# Altium PCB UmTRXv2.PcbDoc (part 7 of 25)
Units mm, origin at the board's own origin, x right, y up, seen from the top; angles counter-clockwise.
Board outline 159.5 x 99.5 mm, 6 copper layers (Top Layer, GND, MidLayer1, Mid-Layer 2, InternalPlane2, Bottom Layer), stack 1.526 mm thick; 708 components, 578 nets, 2802 pads, 1408 vias.
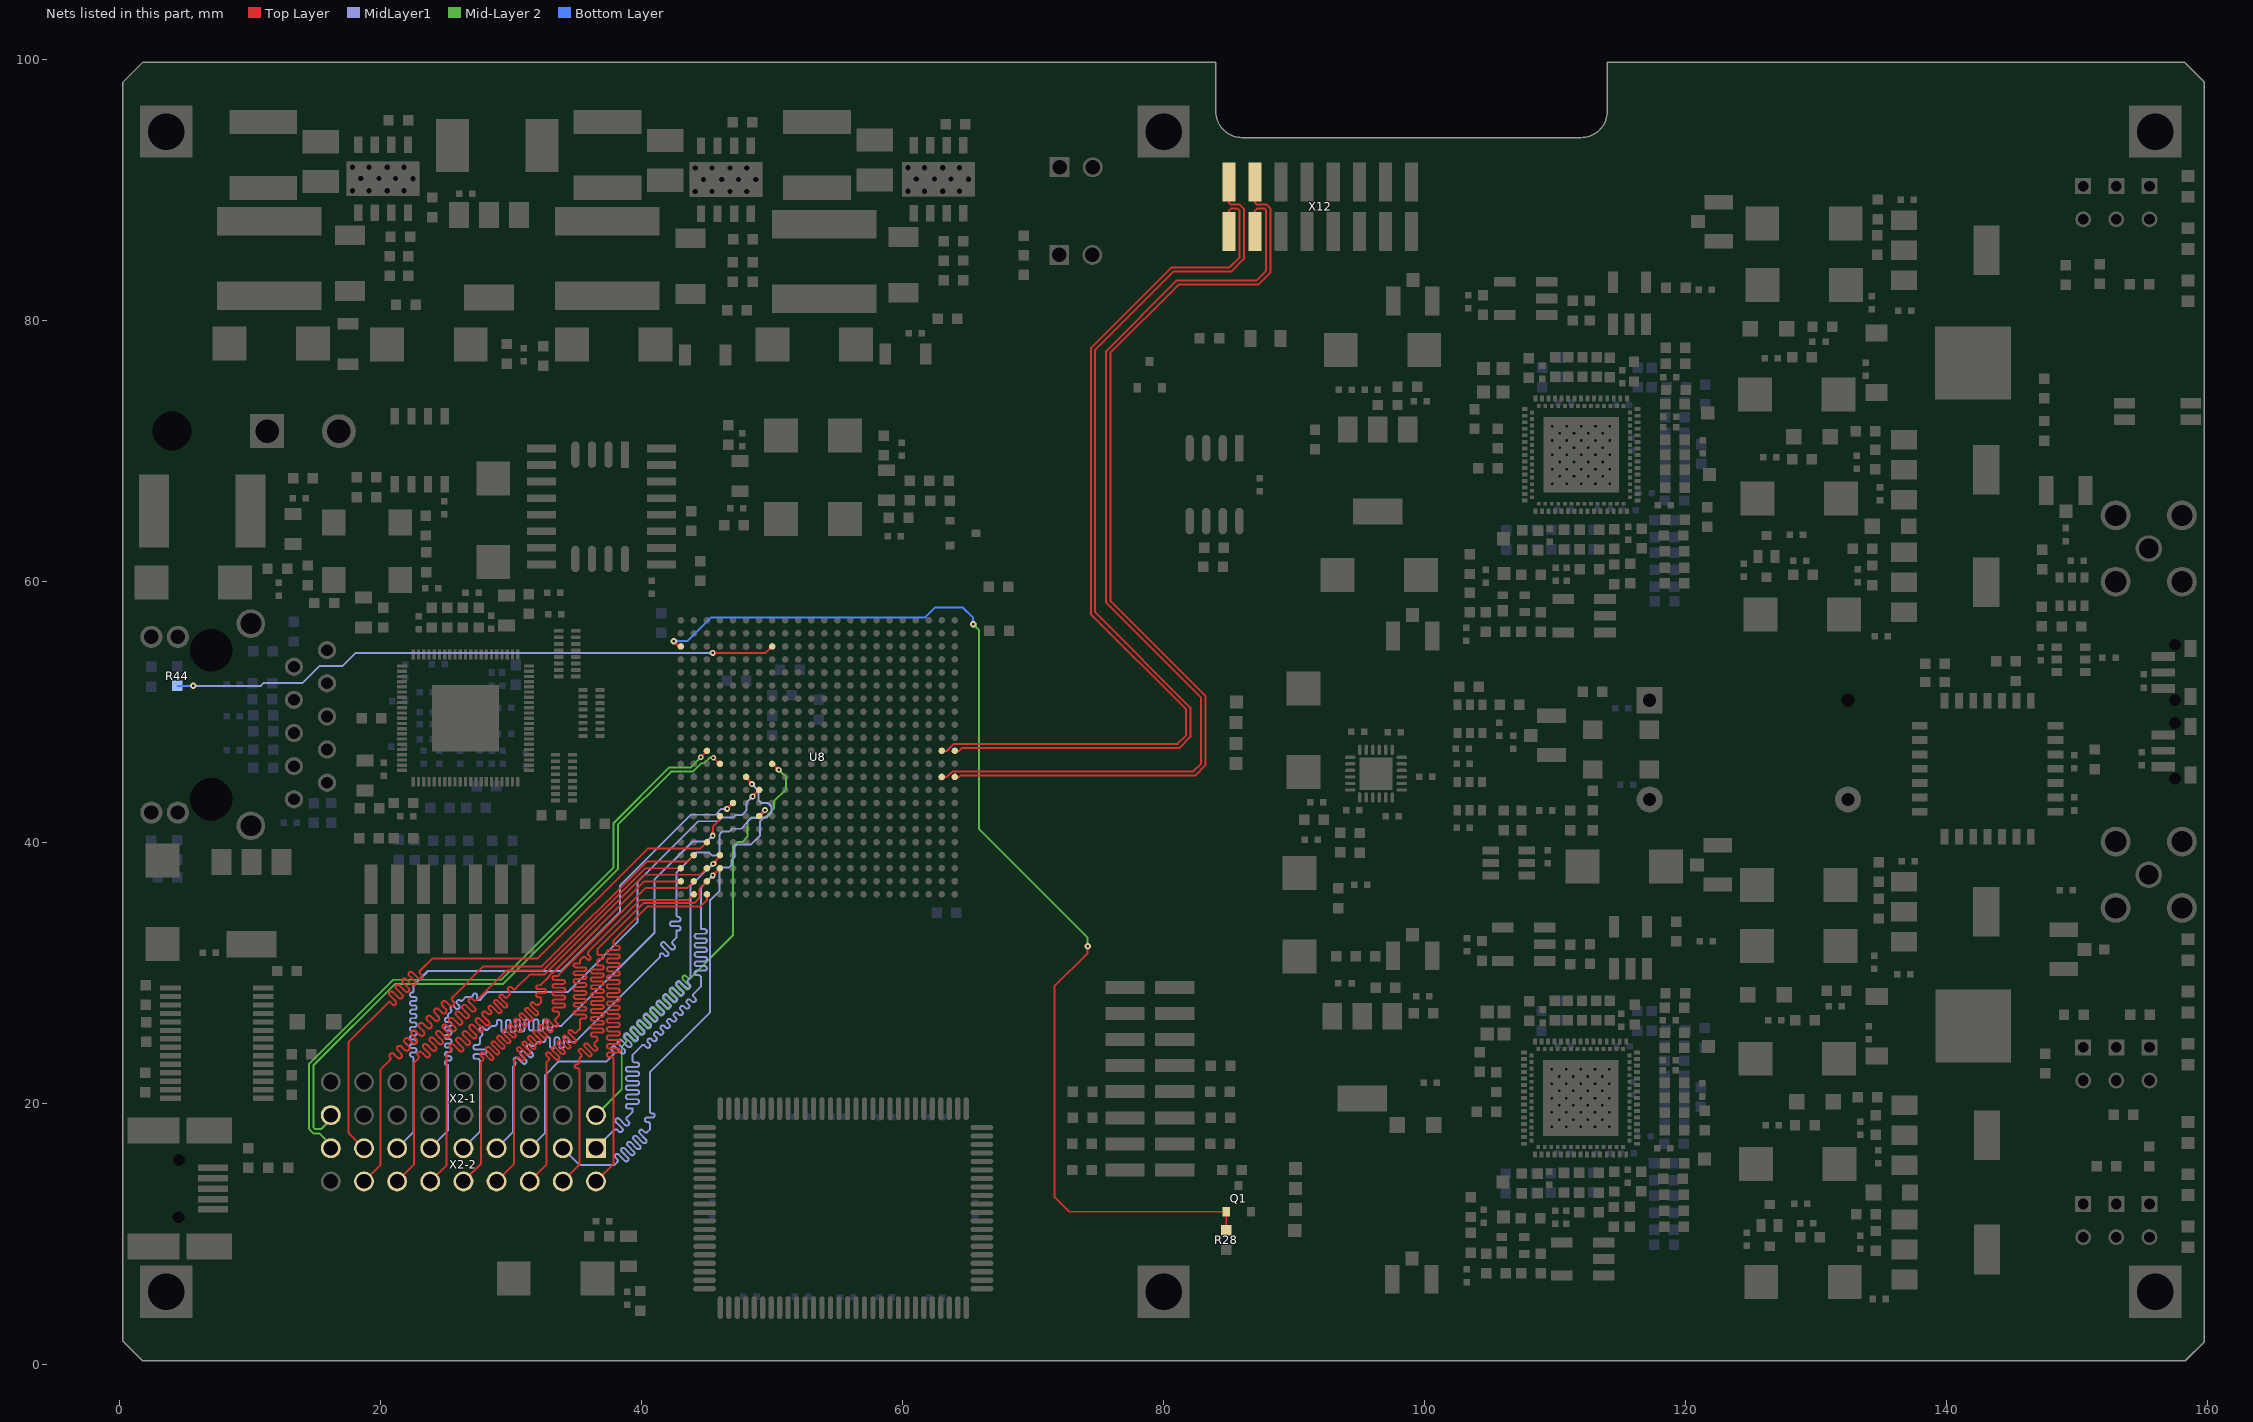
[diagram p11: the nets of this part, all layers, seen from the top]

## Via types
v1: diameter 0.5, hole 0.2, Top Layer to Bottom Layer, tented both sides, 441 vias
v2: diameter 0.45, hole 0.2, Top Layer to Bottom Layer, tented both sides, 429 vias
v3: diameter 0.7, hole 0.3, Top Layer to Bottom Layer, tented both sides, 258 vias
v4: diameter 0.4, hole 0.2, Top Layer to Bottom Layer, tented both sides, 197 vias
v5: diameter 0.8, hole 0.3, Top Layer to Bottom Layer, tented both sides, 61 vias
v6: diameter 0.6, hole 0.25, Top Layer to Bottom Layer, tented both sides, 16 vias
v7: diameter 0.6, hole 0.3, Top Layer to Bottom Layer, tented both sides, 4 vias
v8: diameter 1, hole 0.5, Top Layer to Bottom Layer, tented both sides, 2 vias

## Nets (pads, with @x,y where several pads share a name; then routed paths per layer and width w, separated by ;. In a path a pad name is that pad's centre, name@x,y a point inside that pad or via, vN(x,y) a via of type N, cw(c..) or ccw(c..) an arc to the next point about the centre after c; other vN are vias at no path point) (continued)
DEBUG15: U8.L15 X2-1.2 | length 55.1
  Top Layer w0.15: U8.L15@50.025,46.025 v2(50.5,45.55) ; 50.244,45.806 cw(c49.988,45.55) v2@50.35,45.55 ; 50.244,45.806 ccw(c50.5,46.062) v2@50.5,45.7 ; 50.244,45.806 ccw(c50.5,46.062) v2@50.5,45.7 ; 50.244,45.806 cw(c49.988,45.55) v2@50.35,45.55 ; 50.244,45.806 ccw(c50.5,46.062) v2@50.5,45.7 ; 50.244,45.806 cw(c49.988,45.55) v2@50.35,45.55 ; 50.299,45.739 ccw(c50.553,45.807) v2(50.5,45.55) ; 50.299,45.739 ccw(c50.553,45.807) v2(50.5,45.55) ; 50.299,45.739 ccw(c50.553,45.807) v2(50.5,45.55) ; 50.311,45.751 cw(c50.243,45.497) v2(50.5,45.55) ; 50.311,45.751 cw(c50.243,45.497) v2(50.5,45.55) ; 50.311,45.751 cw(c50.243,45.497) v2(50.5,45.55)
  Mid-Layer 2 w0.15: X2-1.2@36.5,19.08 38.475,21.055 38.475,24.325 38.775,24.625 ccw(c38.65,24.75) 38.775,24.875 38.675,24.974 cw(c38.8,25.099) 38.675,25.224 cw(c38.8,25.099) 38.925,25.224 39.15,25 39.374,24.775 ccw(c39.499,24.9) 39.624,24.775 ccw(c39.499,24.9) 39.624,25.025 39.399,25.249 39.175,25.474 cw(c39.3,25.599) 39.175,25.724 cw(c39.3,25.599) 39.425,25.724 39.874,25.275 ccw(c39.999,25.399) 40.123,25.275 ccw(c39.999,25.399) 40.123,25.524 39.674,25.973 cw(c39.799,26.098) 39.674,26.223 cw(c39.799,26.098) 39.924,26.223 40.149,25.999 40.373,25.774 ccw(c40.498,25.899) 40.623,25.774 ccw(c40.498,25.899) 40.623,26.024 40.398,26.248 40.174,26.473 cw(c40.299,26.598) 40.174,26.723 cw(c40.299,26.598) 40.424,26.723 40.873,26.274 ccw(c40.998,26.398) 41.122,26.274 ccw(c40.998,26.398) 41.122,26.523 40.673,26.972 cw(c40.798,27.097) 40.673,27.222 cw(c40.798,27.097) 40.923,27.222 41.148,26.998 41.372,26.773 ccw(c41.497,26.898) 41.622,26.773 ccw(c41.497,26.898) 41.622,27.023 41.397,27.247 41.173,27.472 cw(c41.298,27.597) 41.173,27.722 cw(c41.298,27.597) 41.423,27.722 41.872,27.273 ccw(c41.997,27.397) 42.121,27.273 ccw(c41.997,27.397) 42.121,27.522 41.672,27.971 cw(c41.797,28.096) 41.672,28.221 cw(c41.797,28.096) 41.922,28.221 42.147,27.997 42.371,27.772 ccw(c42.496,27.897) 42.621,27.772 ccw(c42.496,27.897) 42.621,28.022 42.396,28.246 42.172,28.471 cw(c42.297,28.596) 42.172,28.721 cw(c42.297,28.596) 42.422,28.721 42.871,28.272 ccw(c42.996,28.396) 43.12,28.272 ccw(c42.996,28.396) 43.12,28.521 42.896,28.746 42.671,28.97 cw(c42.796,29.095) 42.671,29.22 cw(c42.796,29.095) 42.921,29.22 43.146,28.996 43.37,28.771 ccw(c43.495,28.896) 43.62,28.771 ccw(c43.495,28.896) 43.62,29.021 43.171,29.47 cw(c43.296,29.595) 43.171,29.72 cw(c43.296,29.595) 43.421,29.72 43.52,29.62 ccw(c43.645,29.745) 43.77,29.62 47,32.85 47,39.675 47.325,40 47.7,40 48.1,40.4 48.1,41.566 48.434,41.9 49.466,41.9 50.125,42.559 50.125,43.117 51.075,44.067 51.075,44.975 v2(50.5,45.55) ; v2@50.5,45.4 cw(c50.5,45.038) 50.756,45.294 ; v2@50.5,45.4 cw(c50.5,45.038) 50.756,45.294 ; v2@50.5,45.4 cw(c50.5,45.038) 50.756,45.294 ; v2@50.65,45.55 ccw(c51.012,45.55) 50.756,45.294 ; v2@50.65,45.55 ccw(c51.012,45.55) 50.756,45.294 ; v2@50.65,45.55 ccw(c51.012,45.55) 50.756,45.294
DEBUG16: U8.E20 X2-2.15 | length 50
  Top Layer w0.15: X2-2.15@18.72,16.54 17.525,17.735 17.525,24.65 20.65,27.775 cw(c20.665,27.76) 20.68,27.775 20.894,27.561 ccw(c21.018,27.686) 21.143,27.561 ccw(c21.018,27.686) 21.143,27.811 20.686,28.268 cw(c20.811,28.393) 20.686,28.518 cw(c20.811,28.393) 20.936,28.518 21.393,28.061 ccw(c21.518,28.186) 21.643,28.061 ccw(c21.518,28.186) 21.643,28.31 21.414,28.539 21.185,28.768 cw(c21.31,28.893) 21.185,29.018 cw(c21.31,28.893) 21.435,29.018 21.664,28.789 21.893,28.56 ccw(c22.017,28.685) 22.142,28.56 ccw(c22.017,28.685) 22.142,28.81 21.685,29.267 cw(c21.81,29.392) 21.685,29.517 cw(c21.81,29.392) 21.935,29.517 22.392,29.06 ccw(c22.517,29.185) 22.642,29.06 ccw(c22.517,29.185) 22.642,29.309 22.413,29.538 22.184,29.767 cw(c22.309,29.892) 22.184,30.017 cw(c22.309,29.892) 22.434,30.017 22.663,29.788 22.892,29.559 ccw(c23.016,29.684) 23.141,29.559 ccw(c23.016,29.684) 23.141,29.809 23.038,29.913 cw(c23.162,30.038) 23.037,30.162 23.975,31.1 32.05,31.1 40.45,39.5 44.5,39.5 U8.E20@45,40
DEBUG17: U8.H18 X2-2.13 | length 54.6
  Top Layer w0.15: U8.H18@47,43 v2(46.55,42.55) ; v2(46.55,42.55) ccw(c46.497,42.807) 46.751,42.739 ; v2(46.55,42.55) cw(c46.807,42.497) 46.739,42.751 ; v2(46.55,42.55) cw(c46.807,42.497) 46.739,42.751 ; v2(46.55,42.55) ccw(c46.497,42.807) 46.751,42.739 ; v2(46.55,42.55) ccw(c46.497,42.807) 46.751,42.739 ; v2(46.55,42.55) cw(c46.807,42.497) 46.739,42.751 ; v2@46.55,42.7 ccw(c46.55,43.062) 46.806,42.806 ; v2@46.55,42.7 ccw(c46.55,43.062) 46.806,42.806 ; v2@46.55,42.7 ccw(c46.55,43.062) 46.806,42.806 ; v2@46.7,42.55 cw(c47.062,42.55) 46.806,42.806 ; v2@46.7,42.55 cw(c47.062,42.55) 46.806,42.806 ; v2@46.7,42.55 cw(c47.062,42.55) 46.806,42.806
  MidLayer1 w0.15: X2-2.13@21.26,16.54 22.5,17.78 22.5,23.451 ccw(c22.398,23.451) 22.398,23.554 cw(c22.398,23.701) 22.25,23.701 22.25,23.734 cw(c22.398,23.734) 22.398,23.882 22.602,23.882 ccw(c22.602,24.029) 22.75,24.029 22.75,24.062 ccw(c22.602,24.062) 22.602,24.209 22.398,24.209 cw(c22.398,24.357) 22.25,24.357 22.25,24.39 cw(c22.398,24.39) 22.398,24.537 22.602,24.537 ccw(c22.602,24.685) 22.75,24.685 22.75,24.718 ccw(c22.602,24.718) 22.602,24.865 22.398,24.865 cw(c22.398,25.013) 22.25,25.013 22.25,25.045 cw(c22.398,25.045) 22.398,25.193 22.602,25.193 ccw(c22.602,25.34) 22.75,25.34 22.75,25.373 ccw(c22.602,25.373) 22.602,25.521 22.398,25.521 cw(c22.398,25.668) 22.25,25.668 22.25,25.701 cw(c22.398,25.701) 22.398,25.848 22.602,25.848 ccw(c22.602,25.996) 22.75,25.996 22.75,26.029 ccw(c22.602,26.029) 22.602,26.176 22.398,26.176 cw(c22.398,26.324) 22.25,26.324 22.25,26.357 cw(c22.398,26.357) 22.398,26.504 22.602,26.504 ccw(c22.602,26.652) 22.75,26.652 22.75,26.684 ccw(c22.602,26.684) 22.602,26.832 22.398,26.832 cw(c22.398,26.979) 22.25,26.979 22.25,27.012 cw(c22.398,27.012) 22.398,27.16 22.602,27.16 ccw(c22.602,27.307) 22.75,27.307 22.75,27.34 ccw(c22.602,27.34) 22.602,27.487 22.398,27.487 cw(c22.398,27.635) 22.25,27.635 22.25,27.668 cw(c22.398,27.668) 22.398,27.815 22.602,27.815 ccw(c22.602,27.963) 22.75,27.963 22.75,27.996 ccw(c22.602,27.996) 22.602,28.143 22.398,28.143 cw(c22.398,28.291) 22.25,28.291 22.25,28.323 cw(c22.398,28.323) 22.398,28.471 22.421,28.471 ccw(c22.421,28.55) 22.5,28.55 22.5,29 23.625,30.125 33.825,30.125 38.325,34.625 38.325,36.675 43.75,42.1 45.666,42.1 46.116,42.55 v2(46.55,42.55) ; 46.188,42.55 cw(c46.188,42.188) 46.444,42.444 ccw(c46.188,42.188) 46.188,42.55 ; 46.188,42.55 ccw(c46.188,42.912) 46.444,42.656 cw(c46.188,42.912) 46.188,42.55
DEBUG18: U8.J16 X2-2.11 | length 59.3
  Top Layer w0.15: U8.J16@49,44 48.699,43.699 ; v2(48.5,43.5) ccw(c48.447,43.757) 48.701,43.689 ; v2(48.5,43.5) cw(c48.757,43.447) 48.689,43.701 ; v2(48.5,43.5) cw(c48.757,43.447) 48.689,43.701 ; v2(48.5,43.5) ccw(c48.447,43.757) 48.701,43.689 ; v2(48.5,43.5) ccw(c48.447,43.757) 48.701,43.689 ; v2(48.5,43.5) cw(c48.757,43.447) 48.689,43.701 ; v2(48.5,43.5) 48.699,43.699 ; v2@48.5,43.65 ccw(c48.5,44.012) 48.756,43.756 ; v2@48.5,43.65 ccw(c48.5,44.012) 48.756,43.756 ; v2@48.5,43.65 ccw(c48.5,44.012) 48.756,43.756 ; v2@48.529,43.647 ccw(c48.565,43.834) 48.699,43.699 ; v2@48.529,43.647 ccw(c48.565,43.834) 48.699,43.699 ; v2@48.529,43.647 ccw(c48.565,43.834) 48.699,43.699 ; v2@48.529,43.647 ccw(c48.565,43.834) 48.699,43.699 ; v2@48.529,43.647 ccw(c48.565,43.834) 48.699,43.699 ; v2@48.529,43.647 ccw(c48.565,43.834) 48.699,43.699 ; v2@48.529,43.647 ccw(c48.565,43.834) 48.699,43.699 ; v2@48.529,43.647 ccw(c48.565,43.834) 48.699,43.699 ; v2@48.529,43.647 ccw(c48.565,43.834) 48.699,43.699 ; v2@48.529,43.647 ccw(c48.565,43.834) 48.699,43.699 ; v2@48.529,43.647 ccw(c48.565,43.834) 48.699,43.699 ; v2@48.529,43.647 ccw(c48.565,43.834) 48.699,43.699 ; v2@48.647,43.529 cw(c48.834,43.565) 48.699,43.699 ; v2@48.647,43.529 cw(c48.834,43.565) 48.699,43.699 ; v2@48.647,43.529 cw(c48.834,43.565) 48.699,43.699 ; v2@48.647,43.529 cw(c48.834,43.565) 48.699,43.699 ; v2@48.647,43.529 cw(c48.834,43.565) 48.699,43.699 ; v2@48.647,43.529 cw(c48.834,43.565) 48.699,43.699 ; v2@48.647,43.529 cw(c48.834,43.565) 48.699,43.699 ; v2@48.647,43.529 cw(c48.834,43.565) 48.699,43.699 ; v2@48.647,43.529 cw(c48.834,43.565) 48.699,43.699 ; v2@48.647,43.529 cw(c48.834,43.565) 48.699,43.699 ; v2@48.647,43.529 cw(c48.834,43.565) 48.699,43.699 ; v2@48.647,43.529 cw(c48.834,43.565) 48.699,43.699 ; v2@48.65,43.5 cw(c49.012,43.5) 48.756,43.756 ; v2@48.65,43.5 cw(c49.012,43.5) 48.756,43.756 ; v2@48.65,43.5 cw(c49.012,43.5) 48.756,43.756
  MidLayer1 w0.15: X2-2.11@23.8,16.54 25.175,17.915 25.175,22.836 ccw(c25.073,22.836) 25.073,22.939 cw(c25.073,23.086) 24.925,23.086 24.925,23.119 cw(c25.073,23.119) 25.073,23.267 25.277,23.267 ccw(c25.277,23.414) 25.425,23.414 25.425,23.447 ccw(c25.277,23.447) 25.277,23.594 25.073,23.594 cw(c25.073,23.742) 24.925,23.742 24.925,23.775 cw(c25.073,23.775) 25.073,23.922 25.277,23.922 ccw(c25.277,24.07) 25.425,24.07 25.425,24.103 ccw(c25.277,24.103) 25.277,24.25 25.073,24.25 cw(c25.073,24.398) 24.925,24.398 24.925,24.43 cw(c25.073,24.43) 25.073,24.578 25.277,24.578 ccw(c25.277,24.725) 25.425,24.725 25.425,24.758 ccw(c25.277,24.758) 25.277,24.906 25.073,24.906 cw(c25.073,25.053) 24.925,25.053 24.925,25.086 cw(c25.073,25.086) 25.073,25.233 25.277,25.233 ccw(c25.277,25.381) 25.425,25.381 25.425,25.414 ccw(c25.277,25.414) 25.277,25.561 25.073,25.561 cw(c25.073,25.709) 24.925,25.709 24.925,25.742 cw(c25.073,25.742) 25.073,25.889 25.277,25.889 ccw(c25.277,26.037) 25.425,26.037 25.425,26.069 ccw(c25.277,26.069) 25.277,26.217 25.073,26.217 cw(c25.073,26.364) 24.925,26.364 24.925,26.397 cw(c25.073,26.397) 25.073,26.545 25.145,26.545 ccw(c25.145,26.575) 25.175,26.575 25.175,26.8 25.393,27.018 ccw(c25.321,27.091) 25.393,27.163 cw(c25.498,27.268) 25.393,27.372 25.417,27.395 cw(c25.521,27.291) 25.625,27.395 25.77,27.25 ccw(c25.874,27.355) 25.979,27.25 26.002,27.273 ccw(c25.898,27.378) 26.002,27.482 25.857,27.627 cw(c25.961,27.731) 25.857,27.836 25.88,27.859 cw(c25.984,27.754) 26.089,27.859 ccw(c26.161,27.931) 26.234,27.859 26.525,28.15 26.961,28.15 ccw(c26.961,28.252) 27.064,28.252 cw(c27.211,28.252) 27.211,28.4 27.244,28.4 cw(c27.244,28.252) 27.392,28.252 27.392,28.048 ccw(c27.539,28.048) 27.539,27.9 27.572,27.9 ccw(c27.572,28.048) 27.719,28.048 cw(c27.822,28.048) 27.822,28.15 28.172,28.5 34.325,28.5 39.675,33.85 39.675,36.925 44.35,41.6 45.873,41.6 46.173,41.9 47.006,41.9 47.181,42.075 47.676,42.075 48.05,42.449 48.05,43.05 v2(48.5,43.5) ; 48.244,43.244 cw(c48.5,42.988) v2@48.5,43.35 ; 48.244,43.244 ccw(c47.988,43.5) v2@48.35,43.5 ; 48.244,43.244 ccw(c47.988,43.5) v2@48.35,43.5 ; 48.244,43.244 cw(c48.5,42.988) v2@48.5,43.35 ; 48.244,43.244 ccw(c47.988,43.5) v2@48.35,43.5 ; 48.244,43.244 cw(c48.5,42.988) v2@48.5,43.35
DEBUG19: U8.G19 X2-2.9 | length 53.1
  Top Layer w0.15: v2(45.45,40.5) 45.45,41.196 45.975,41.721 U8.G19@45.975,42.025 ; v2@45.344,40.606 ccw(c45.088,40.862) 45.45,40.862 ; v2@45.344,40.606 ccw(c45.088,40.862) 45.45,40.862 ; v2@45.344,40.606 ccw(c45.088,40.862) 45.45,40.862 ; 45.45,40.862 ccw(c45.812,40.862) v2@45.556,40.606 ; 45.45,40.862 ccw(c45.812,40.862) v2@45.556,40.606 ; 45.45,40.862 ccw(c45.812,40.862) v2@45.556,40.606
  MidLayer1 w0.15: X2-2.9@26.34,16.54 27.6,17.8 27.6,23.243 ccw(c27.441,23.243) 27.441,23.402 27.259,23.402 cw(c27.259,23.561) 27.1,23.561 27.1,23.596 cw(c27.259,23.596) 27.259,23.755 27.941,23.755 ccw(c27.941,23.914) 28.1,23.914 28.1,23.949 ccw(c27.941,23.949) 27.941,24.108 27.259,24.108 cw(c27.259,24.267) 27.1,24.267 27.1,24.302 cw(c27.259,24.302) 27.259,24.461 27.441,24.461 ccw(c27.441,24.62) 27.6,24.62 27.6,25.025 27.75,25.175 ccw(c27.638,25.287) 27.75,25.4 27.621,25.529 cw(c27.734,25.641) 27.621,25.753 27.646,25.778 cw(c27.759,25.666) 27.871,25.778 28,25.65 ccw(c28.112,25.762) 28.225,25.65 28.5,25.925 28.743,25.925 ccw(c28.743,26.084) 28.902,26.084 28.902,26.229 cw(c29.061,26.229) 29.061,26.388 29.096,26.388 cw(c29.096,26.229) 29.255,26.229 29.255,25.587 ccw(c29.414,25.587) 29.414,25.428 29.449,25.428 ccw(c29.449,25.587) 29.608,25.587 29.608,26.229 cw(c29.767,26.229) 29.767,26.388 29.802,26.388 cw(c29.802,26.229) 29.961,26.229 29.961,25.587 ccw(c30.12,25.587) 30.12,25.428 30.155,25.428 ccw(c30.155,25.587) 30.314,25.587 30.314,26.263 cw(c30.473,26.263) 30.473,26.422 30.509,26.422 cw(c30.509,26.263) 30.668,26.263 30.668,25.652 ccw(c30.827,25.652) 30.827,25.493 30.862,25.493 ccw(c30.862,25.652) 31.021,25.652 31.021,26.263 cw(c31.18,26.263) 31.18,26.422 31.215,26.422 cw(c31.215,26.263) 31.374,26.263 31.374,25.712 ccw(c31.533,25.712) 31.533,25.553 31.568,25.553 ccw(c31.568,25.712) 31.727,25.712 31.727,26.263 cw(c31.886,26.263) 31.886,26.422 31.921,26.422 cw(c31.921,26.263) 32.08,26.263 32.08,25.712 ccw(c32.239,25.712) 32.239,25.553 32.275,25.553 ccw(c32.275,25.712) 32.434,25.712 32.434,26.263 cw(c32.593,26.263) 32.593,26.422 32.628,26.422 cw(c32.628,26.263) 32.787,26.263 32.787,25.712 ccw(c32.946,25.712) 32.946,25.553 32.981,25.553 ccw(c32.981,25.712) 33.14,25.712 33.14,25.766 cw(c33.299,25.766) 33.299,25.925 33.85,25.925 41,33.075 41,37.15 43.9,40.05 45,40.05 v2(45.45,40.5) ; 45.194,40.244 cw(c45.45,39.988) v2@45.45,40.35 ; 45.194,40.244 ccw(c44.938,40.5) v2@45.3,40.5 ; 45.194,40.244 ccw(c44.938,40.5) v2@45.3,40.5 ; 45.194,40.244 cw(c45.45,39.988) v2@45.45,40.35 ; 45.194,40.244 ccw(c44.938,40.5) v2@45.3,40.5 ; 45.194,40.244 cw(c45.45,39.988) v2@45.45,40.35
DEBUG20: U8.G16 X2-2.7 | length 56
  Top Layer w0.15: U8.G16@49,42 49.301,42.301 v2(49.45,42.45) ; 49.194,42.194 cw(c49.45,41.938) v2@49.45,42.3 ; 49.194,42.194 ccw(c48.938,42.45) v2@49.3,42.45 ; 49.194,42.194 ccw(c48.938,42.45) v2@49.3,42.45 ; 49.194,42.194 cw(c49.45,41.938) v2@49.45,42.3 ; 49.194,42.194 ccw(c48.938,42.45) v2@49.3,42.45 ; 49.194,42.194 cw(c49.45,41.938) v2@49.45,42.3 ; 49.249,42.261 cw(c49.503,42.193) v2(49.45,42.45) ; 49.249,42.261 cw(c49.503,42.193) v2(49.45,42.45) ; 49.249,42.261 cw(c49.503,42.193) v2(49.45,42.45) ; 49.261,42.249 ccw(c49.193,42.503) v2(49.45,42.45) ; 49.261,42.249 ccw(c49.193,42.503) v2(49.45,42.45) ; 49.261,42.249 ccw(c49.193,42.503) v2(49.45,42.45)
  MidLayer1 w0.15: X2-2.7@28.88,16.54 30.125,17.785 30.125,22.775 30.282,22.932 ccw(c30.17,23.045) 30.282,23.157 30.241,23.198 cw(c30.354,23.311) 30.241,23.423 30.266,23.448 cw(c30.379,23.336) 30.491,23.448 30.645,23.295 30.886,23.053 ccw(c30.998,23.166) 31.111,23.053 31.136,23.078 ccw(c31.023,23.191) 31.136,23.303 30.894,23.544 30.741,23.698 cw(c30.853,23.81) 30.741,23.923 30.766,23.948 cw(c30.878,23.835) 30.991,23.948 31.144,23.794 31.385,23.553 ccw(c31.498,23.665) 31.61,23.553 31.635,23.578 ccw(c31.523,23.69) 31.635,23.803 31.24,24.197 cw(c31.353,24.31) 31.24,24.422 31.265,24.447 cw(c31.378,24.335) 31.49,24.447 31.531,24.406 ccw(c31.644,24.518) 31.756,24.406 32.025,24.675 32.468,24.675 ccw(c32.468,24.834) 32.627,24.834 32.627,24.891 cw(c32.786,24.891) 32.786,25.05 32.821,25.05 cw(c32.821,24.891) 32.98,24.891 32.98,24.359 ccw(c33.139,24.359) 33.139,24.2 33.174,24.2 ccw(c33.174,24.359) 33.333,24.359 33.333,24.891 cw(c33.492,24.891) 33.492,25.05 33.527,25.05 cw(c33.527,24.891) 33.686,24.891 33.686,24.359 ccw(c33.845,24.359) 33.845,24.2 33.88,24.2 ccw(c33.88,24.359) 34.039,24.359 34.039,24.891 cw(c34.198,24.891) 34.198,25.05 34.234,25.05 cw(c34.234,24.891) 34.393,24.891 34.393,24.707 ccw(c34.425,24.707) 34.425,24.675 34.875,24.675 41.413,31.213 41.413,31.438 cw(c41.526,31.326) 41.638,31.438 41.767,31.31 ccw(c41.879,31.422) 41.992,31.31 42.017,31.335 ccw(c41.904,31.447) 42.017,31.559 41.776,31.801 41.534,32.042 cw(c41.647,32.154) 41.534,32.267 41.559,32.292 cw(c41.672,32.179) 41.784,32.292 42.267,31.809 ccw(c42.379,31.922) 42.491,31.809 42.516,31.834 ccw(c42.404,31.947) 42.516,32.059 42.388,32.188 cw(c42.5,32.3) 42.388,32.413 42.675,32.7 42.675,33.214 42.816,33.214 ccw(c42.816,33.373) 42.975,33.373 42.975,33.408 ccw(c42.816,33.408) 42.816,33.567 42.334,33.567 cw(c42.334,33.726) 42.175,33.726 42.175,33.761 cw(c42.334,33.761) 42.334,33.92 42.816,33.92 ccw(c42.816,34.079) 42.975,34.079 42.975,34.114 ccw(c42.816,34.114) 42.816,34.273 cw(c42.816,34.415) 42.675,34.415 42.675,37.675 44.2,39.2 45.174,39.2 45.384,38.989 45.716,38.989 45.95,39.224 45.95,40.575 46.202,40.827 46.747,40.827 46.945,41.025 47.616,41.025 48.1,41.509 48.1,41.566 48.384,41.85 48.9,41.85 49.45,42.4 v2(49.45,42.45) ; 49.159,42.109 ccw(c48.817,42.45) v2@49.3,42.45 ; 49.159,42.109 ccw(c48.817,42.45) v2@49.3,42.45 ; 49.159,42.109 ccw(c48.817,42.45) v2@49.3,42.45 ; 49.241,42.231 cw(c49.546,42.15) v2(49.45,42.45) ; 49.241,42.231 cw(c49.546,42.15) v2(49.45,42.45) ; 49.241,42.231 cw(c49.546,42.15) v2(49.45,42.45) ; 49.279,42.229 cw(c49.45,42.059) v2@49.45,42.3 ; 49.279,42.229 cw(c49.45,42.059) v2@49.45,42.3 ; 49.279,42.229 cw(c49.45,42.059) v2@49.45,42.3
DEBUG21: U8.D19 X2-2.5 | length 55.1
  Top Layer w0.15: U8.D19@46.05,38.95 45.5,38.4 v2(45.5,38.339) ; v2(45.5,38.339) ccw(c45.394,38.649) 45.71,38.564 ; v2(45.5,38.339) ccw(c45.394,38.649) 45.71,38.564 ; v2(45.5,38.339) ccw(c45.394,38.649) 45.71,38.564 ; v2@45.5,38.489 ccw(c45.5,38.705) 45.653,38.553 ; v2@45.5,38.489 ccw(c45.5,38.705) 45.653,38.553 ; v2@45.5,38.489 ccw(c45.5,38.705) 45.653,38.553 ; v2@45.65,38.339 cw(c46.159,38.339) 45.799,38.699 ; v2@45.65,38.339 cw(c46.159,38.339) 45.799,38.699 ; v2@45.65,38.339 cw(c46.159,38.339) 45.799,38.699
  MidLayer1 w0.15: X2-2.5@31.42,16.54 32.6,17.72 32.6,22.15 33.625,23.175 37.3,23.175 37.837,23.712 ccw(c37.725,23.825) 37.837,23.937 37.709,24.066 cw(c37.821,24.178) 37.709,24.291 37.734,24.316 cw(c37.846,24.203) 37.958,24.316 38.441,23.833 ccw(c38.553,23.946) 38.666,23.833 38.691,23.858 ccw(c38.578,23.971) 38.691,24.083 38.449,24.324 38.208,24.566 cw(c38.321,24.678) 38.208,24.79 38.233,24.815 cw(c38.346,24.703) 38.458,24.815 38.94,24.333 ccw(c39.053,24.445) 39.165,24.333 39.19,24.358 ccw(c39.078,24.47) 39.19,24.583 38.708,25.065 cw(c38.82,25.177) 38.708,25.29 38.733,25.315 cw(c38.845,25.202) 38.957,25.315 39.199,25.074 39.44,24.832 ccw(c39.552,24.945) 39.665,24.832 39.69,24.857 ccw(c39.577,24.97) 39.69,25.082 39.448,25.323 39.207,25.565 cw(c39.32,25.677) 39.207,25.789 39.232,25.814 cw(c39.345,25.702) 39.457,25.814 39.939,25.332 ccw(c40.052,25.444) 40.164,25.332 40.189,25.357 ccw(c40.077,25.469) 40.189,25.582 39.707,26.064 cw(c39.819,26.176) 39.707,26.289 39.732,26.314 cw(c39.844,26.201) 39.956,26.314 40.198,26.073 40.439,25.831 ccw(c40.551,25.944) 40.664,25.831 40.689,25.856 ccw(c40.576,25.969) 40.689,26.081 40.447,26.322 40.206,26.564 cw(c40.319,26.676) 40.206,26.788 40.231,26.813 cw(c40.344,26.701) 40.456,26.813 40.938,26.331 ccw(c41.051,26.443) 41.163,26.331 41.188,26.356 ccw(c41.076,26.468) 41.188,26.581 40.706,27.063 cw(c40.818,27.175) 40.706,27.288 40.731,27.313 cw(c40.843,27.2) 40.955,27.313 41.197,27.072 41.438,26.83 ccw(c41.55,26.943) 41.663,26.83 41.688,26.855 ccw(c41.575,26.968) 41.688,27.08 41.446,27.321 41.205,27.563 cw(c41.318,27.675) 41.205,27.787 41.23,27.812 cw(c41.343,27.7) 41.455,27.812 41.937,27.33 ccw(c42.05,27.442) 42.162,27.33 42.187,27.355 ccw(c42.075,27.467) 42.187,27.58 41.705,28.062 cw(c41.817,28.174) 41.705,28.287 41.73,28.312 cw(c41.842,28.199) 41.954,28.312 42.196,28.071 42.437,27.829 ccw(c42.549,27.942) 42.662,27.829 42.687,27.854 ccw(c42.574,27.967) 42.687,28.079 42.204,28.562 cw(c42.317,28.674) 42.204,28.786 42.229,28.811 cw(c42.342,28.699) 42.454,28.811 42.936,28.329 ccw(c43.049,28.441) 43.161,28.329 43.186,28.354 ccw(c43.074,28.466) 43.186,28.579 42.945,28.82 42.704,29.061 cw(c42.816,29.173) 42.704,29.286 42.729,29.311 cw(c42.841,29.198) 42.953,29.311 43.195,29.07 43.436,28.828 ccw(c43.548,28.941) 43.661,28.828 43.686,28.853 ccw(c43.573,28.966) 43.686,29.078 43.557,29.207 cw(c43.669,29.319) 43.557,29.432 43.75,29.625 43.75,36.65 45.55,38.45 45.55,38.389 v2(45.5,38.339) ; 45.14,38.04 cw(c45.5,37.681) v2@45.5,38.189 ; 45.14,38.04 cw(c45.5,37.681) v2@45.5,38.189 ; 45.14,38.04 cw(c45.5,37.681) v2@45.5,38.189 ; 45.275,38.129 ccw(c45.19,38.445) v2(45.5,38.339) ; 45.275,38.129 ccw(c45.19,38.445) v2(45.5,38.339) ; 45.275,38.129 ccw(c45.19,38.445) v2(45.5,38.339) ; 45.287,38.187 ccw(c45.134,38.339) v2@45.35,38.339 ; 45.287,38.187 ccw(c45.134,38.339) v2@45.35,38.339 ; 45.287,38.187 ccw(c45.134,38.339) v2@45.35,38.339
DEBUG22: U8.K17 X2-2.3 | length 54.2
  Top Layer w0.15: U8.K17@48,45 48.45,44.55 v2(48.45,44.45) ; U8.K17@48.123,44.877 cw(c47.696,44.45) v2@48.3,44.45 ; U8.K17@48.123,44.877 cw(c47.696,44.45) v2@48.3,44.45 ; U8.K17@48.123,44.877 cw(c47.696,44.45) v2@48.3,44.45 ; 48.233,44.698 ccw(c48.595,44.795) v2(48.45,44.45) ; 48.233,44.698 ccw(c48.595,44.795) v2(48.45,44.45) ; 48.233,44.698 ccw(c48.595,44.795) v2(48.45,44.45)